# Altium PCB TH8_Cryo_TC_Breakouts.PCBDOC (part 1 of 2) (continued)
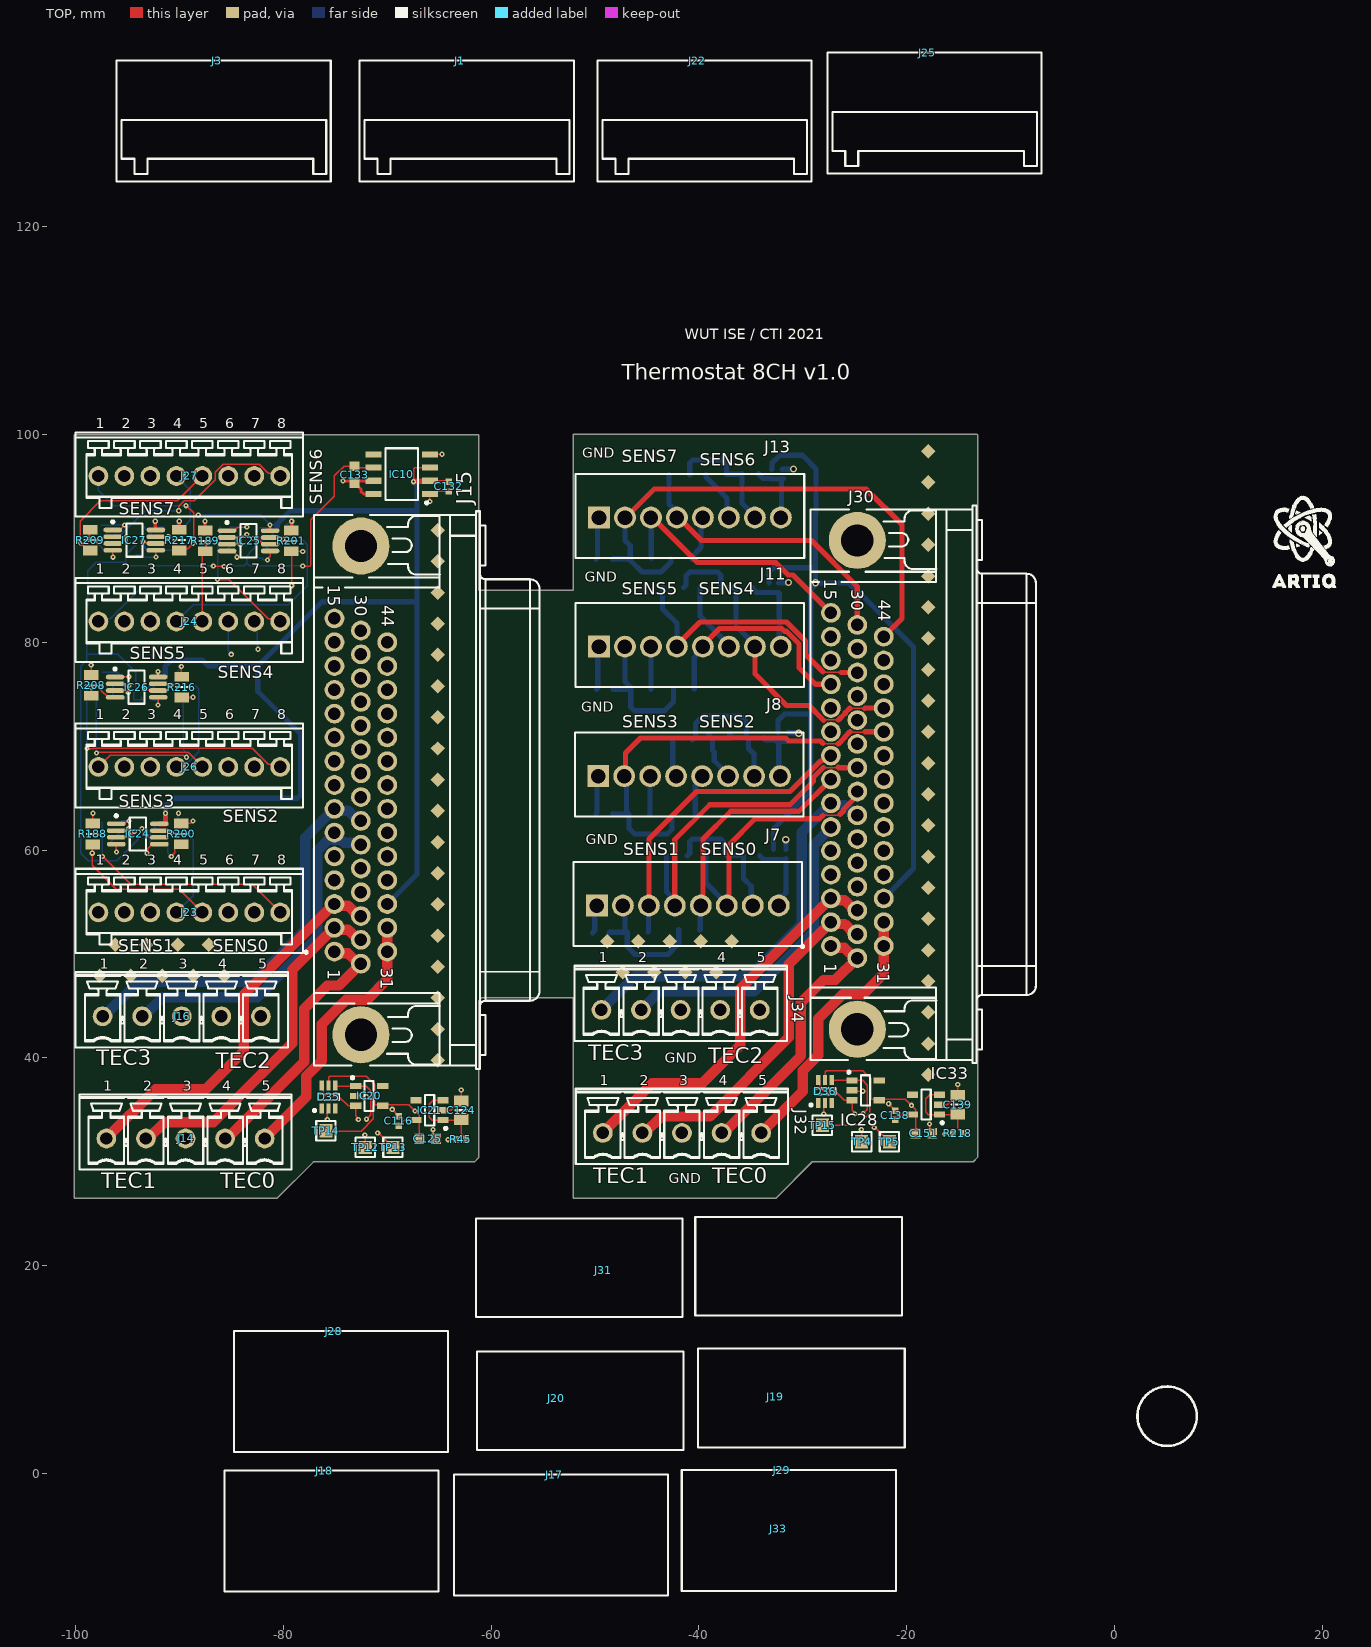
[diagram p0: TOP view]
## Components (designator, comment, footprint, x,y, rotation, side; value= is the part's Value field where it differs from the comment)
C116 "100nF" CAPC1005X55N -68.876,33.937 r270 top
C124 "10uF" CAPC2012X135N -62.876,34.962 r90 top
C125 "1uF" CAPC1608X87N -66.126,32.212 r180 top
C128 "100nF" CAPC1005X55N -31.623,59.614 r270 bottom
C129 "100nF" CAPC1005X55N -31.394,70.891 r270 bottom
C130 "100nF" CAPC1005X55N -32.334,85.242 r270 bottom
C131 "100nF" CAPC1005X55N -32.004,96.164 r270 bottom
C132 "100nF" CAPC1005X55N -64.065,94.998 r270 top
C133 "1uF" CAPC1608X87N -73.152,96.139 r90 top
C134 "100nF" CAPC1005X55N -80.188,91.11 r180 bottom
C135 "100nF" CAPC1005X55N -90.907,76.911 r180 bottom
C136 "1nF" CAPC1005X55N -95.607,62.249 r90 bottom
C137 "1nF" CAPC1005X55N -84.176,90.653 r90 bottom
C138 "100nF" CAPC1005X55N -21.096,34.475 r270 top
C139 "10uF" CAPC2012X135N -15.096,35.5 r90 top
C140 "1nF" CAPC1005X55N -92.829,62.239 r90 bottom
C141 "1nF" CAPC1005X55N -82.295,90.563 r90 bottom
C142 "100nF" CAPC1005X55N -90.881,62.84 r180 bottom
C143 "100nF" CAPC1005X55N -90.983,91.084 r180 bottom
C149 "1nF" CAPC1005X55N -95.607,76.294 r90 bottom
C150 "1nF" CAPC1005X55N -97.565,90.807 r90 bottom
C151 "1uF" CAPC1608X87N -18.346,32.75 r180 top
C153 "1nF" CAPC1005X55N -92.265,75.895 r0 bottom
C154 "1nF" CAPC1005X55N -93.565,90.807 r90 bottom
D35 "DRTR5V0U4S-7" SOT65P210X110-6N -75.651,36.237 r90 top
D36 "DRTR5V0U4S-7" SOT65P210X110-6N -27.871,36.775 r90 top
IC10 "LM4140ACM-1.2/NOPB" SOIC127P600X175-8N -68.605,96.171 r180 top
IC20 "24AA02E48T-I/OT" SOT95P280X145-5N -71.751,36.337 r0 top
IC21 "ADP150AUJZ-3.3-R7" SOT95P280X90-5N -65.926,34.962 r180 top
IC24 "ADA4528-2ARMZ-RL" ADI-RM-8_N -94.007,61.549 r0 top
IC25 "ADA4528-2ARMZ-RL" ADI-RM-8_N -83.348,89.763 r0 top
IC26 "ADA4528-2ARMZ-RL" ADI-RM-8_N -94.119,75.679 r0 top
IC27 "ADA4528-2ARMZ-RL" ADI-RM-8_N -94.34,89.832 r0 top
IC28 "24AA02E48T-I/OT" SOT95P280X145-5N -23.971,36.875 r0 top
IC33 "ADP150AUJZ-3.3-R7" SOT95P280X90-5N -18.146,35.5 r180 top
J1 "691381000008" WURTH_691381000008 -63.028,135.979 r270 top
J3 "691381000008" WURTH_691381000008 -86.422,135.979 r270 top
J7 "691382000008" 691382000008 -41.073,54.812 r0 top
J8 "691382000008" 691382000008 -40.948,67.263 r0 top
J11 "691382000008" 691382000008 -40.873,79.732 r0 top
J13 "691382000008" 691382000008 -40.871,92.153 r0 top
J14 "" PHOENIX_1803455 -89.416,32.242 r0 top
J15 "D-Sub" AMPHENOL_10090926-P444XLF -72.54,65.75 r270 top locked
J16 "" PHOENIX_1803455 -89.78,44 r0 top
J17 "691381000008" WURTH_691381000008 -53.95,-0.127 r270 top
J18 "691381000008" WURTH_691381000008 -76.048,0.254 r270 top
J19 "" PHOENIX_1803604 -32.639,7.366 r90 top
J20 "" PHOENIX_1803604 -53.746,7.239 r90 top
J22 "691381000008" WURTH_691381000008 -40.143,135.979 r270 top
J23 "" PHOENIX_1881613 -89.05,54 r0 top
J24 "" PHOENIX_1881613 -89.05,82 r0 top
J25 "691381000008" WURTH_691381000008 -18.02,136.741 r270 top
J26 "" PHOENIX_1881613 -89.05,68 r0 top
J27 "" PHOENIX_1881613 -89.05,96 r0 top
J28 "691381000008" WURTH_691381000008 -75.133,13.691 r270 top
J29 "691381000008" WURTH_691381000008 -32.029,0.305 r270 top
J30 "D-Sub" AMPHENOL_10090926-P444XLF -24.76,66.288 r270 top locked
J31 "" PHOENIX_1803604 -49.2,19.583 r270 top
J32 "" PHOENIX_1803455 -41.637,32.78 r0 top
J33 "" PHOENIX_1803604 -32.36,-5.309 r90 top
J34 "" PHOENIX_1803455 -41.768,44.619 r0 top
L10 "220R@100MHz" INDC1005X55N -32.715,59.563 r90 bottom
L11 "220R@100MHz" INDC1005X55N -32.385,70.866 r90 bottom
L12 "220R@100MHz" INDC1005X55N -33.249,85.242 r90 bottom
L13 "220R@100MHz" INDC1005X55N -33.02,96.164 r90 bottom
R45 "33" RESC1005X40N -62.903,32.184 r0 top
R155 "0" RESC1608X55N -34.925,59.461 r0 bottom
R156 "0" RESC1608X55N -49.428,52.045 r0 bottom
R157 "5k" RESC2013X64N -38.329,59.487 r0 bottom
R158 "5k" RESC2013X64N -40.945,52.324 r180 bottom
R159 "5k" RESC2013X64N -42.123,59.461 r0 bottom
R160 "5k" RESC2013X64N -45.898,52.121 r180 bottom
R161 "0" RESC1608X55N -34.62,70.841 r0 bottom
R162 "0" RESC1608X55N -49.124,63.525 r0 bottom
R163 "5k" RESC2013X64N -37.913,70.764 r0 bottom
R164 "5k" RESC2013X64N -41.361,63.424 r180 bottom
R165 "5k" RESC2013X64N -41.529,70.739 r0 bottom
R166 "0" RESC1608X55N -35.649,85.242 r0 bottom
R167 "5k" RESC2013X64N -45.736,63.424 r180 bottom
R168 "5k" RESC2013X64N -38.913,85.268 r0 bottom
R169 "5k" RESC2013X64N -41.453,75.489 r180 bottom
R170 "0" RESC1608X55N -49.073,75.463 r0 bottom
R171 "5k" RESC2013X64N -42.469,85.268 r0 bottom
R172 "5k" RESC2013X64N -45.609,75.463 r180 bottom
R176 "5k" RESC2013X64N -38.338,96.139 r0 bottom
R177 "5k" RESC2013X64N -41.681,87.986 r180 bottom
R178 "5k" RESC2013X64N -41.885,96.114 r0 bottom
R179 "5k" RESC2013X64N -45.568,88.087 r180 bottom
R180 "0" RESC1608X55N -35.052,96.215 r0 bottom
R181 "0" RESC1608X55N -49.098,87.986 r0 bottom
R182 "120k" RESC1005X40N -97.052,62.699 r180 bottom
R183 "120k" RESC1005X40N -85.597,91.113 r180 bottom
R184 "120k" RESC1005X40N -94.865,60.574 r90 bottom
R185 "120k" RESC1005X40N -83.515,88.773 r90 bottom
R186 "0" RESC1608X55N -97.591,60.574 r0 bottom
R187 "0" RESC1608X55N -86.398,88.697 r0 bottom
R188 "120k" RESC2012X60N -98.332,61.549 r270 top
R189 "120k" RESC2012X60N -87.533,89.763 r270 top
R190 "120k" RESC1005X40N -89.649,61.789 r0 bottom
R191 "120k" RESC1005X40N -78.829,90.068 r0 bottom
R192 "120k" RESC1005X40N -93.934,60.574 r270 bottom
R193 "120k" RESC1005X40N -82.601,88.773 r270 bottom
R198 "0" RESC1608X55N -91.932,60.574 r180 bottom
R199 "0" RESC1608X55N -80.498,88.788 r180 bottom
R200 "120k" RESC2012X60N -89.807,61.557 r270 top
R201 "120k" RESC2012X60N -79.248,89.763 r270 top
R202 "120k" RESC1005X40N -97.917,77.114 r180 bottom
R203 "120k" RESC1005X40N -96.415,90.807 r270 bottom
R204 "120k" RESC1005X40N -94.865,74.467 r180 bottom
R205 "120k" RESC1005X40N -95.148,88.938 r90 bottom
R206 "0" RESC1608X55N -97.206,74.769 r0 bottom
R207 "0" RESC1608X55N -98.019,88.798 r0 bottom
R208 "120k" RESC2012X60N -98.494,75.854 r270 top
R209 "120k" RESC2012X60N -98.602,89.832 r270 top
R210 "120k" RESC1005X40N -89.68,75.794 r0 bottom
R211 "120k" RESC1005X40N -90.019,90.018 r0 bottom
R212 "120k" RESC1005X40N -93.119,74.444 r0 bottom
R213 "120k" RESC1005X40N -94.209,88.875 r270 bottom
R214 "0" RESC1608X55N -90.449,74.579 r180 bottom
R215 "0" RESC1608X55N -92.265,88.857 r180 bottom
R216 "120k" RESC2012X60N -89.775,75.679 r270 top
R217 "120k" RESC2012X60N -90.018,89.832 r270 top
R218 "33" RESC1005X40N -15.096,32.75 r0 top
TP4 "Test Point" TPS127 -24.346,31.925 r90 top
TP5 "Test Point" TPS127 -21.671,31.925 r90 top
TP12 "Test Point" TPS127 -72.126,31.387 r90 top
TP13 "Test Point" TPS127 -69.451,31.387 r90 top
TP14 "Test Point" TPS127 -75.901,32.987 r90 top
TP15 "Test Point" TPS127 -28.121,33.525 r90 top

## Footprints (in the part's own frame and the unit in brackets; to place one, negate y for a bottom-side part, rotate by r counter-clockwise, add the part's x,y. Pads: shape width x height; smd on the part's side, far side on the other; paste and mask are expansions set on the pad)
691382000008 [mm] "Vertical PCB Header, pitch 2.5mm, 08p"
  rect 2.1x2.1 hole 1.4: 1(-8.75,-0.15)
  round 2.1 hole 1.4: 2(-6.25,-0.15) 3(-3.75,-0.15) 4(-1.25,-0.15) 5(1.25,-0.15) 6(3.75,-0.15) 7(6.25,-0.15) 8(8.75,-0.15)
  silkscreen extent -11,-4.05 11,4.05, body extent -11,-4.05 11,4.05, height 10.14
ADI-RM-8_N [mm] "SOP, 8-Leads, Body 3x3mm, Pitch 0.65mm, IPC Medium Density"
  oval 1.8x0.45 smd: 1(-2.075,0.975) 2(-2.075,0.325) 3(-2.075,-0.325) 4(-2.075,-0.975) 5(2.075,-0.975) 6(2.075,-0.325) 7(2.075,0.325) 8(2.075,0.975)
  silkscreen extent -2.2,-1.6 0.77,1.87, body extent -1.6,-1.6 1.6,1.6, height 1.1
AMPHENOL_10090926-P444XLF [mm] "Right Angle High Density D-sub 44 Male Contacts with Harpoons + UNC 4-40 Clinchnuts + Electrical Continuity"
  round 1.9 hole 1.2: 1(15.52,-2.54) 2(13.23,-2.54) 3(10.94,-2.54) 4(8.65,-2.54) 5(6.36,-2.54) 6(4.07,-2.54) 7(1.78,-2.54) 8(-0.51,-2.54) 9(-2.8,-2.54) 10(-5.09,-2.54) 11(-7.38,-2.54) 12(-9.67,-2.54) 13(-11.96,-2.54) 14(-14.25,-2.54) 15(-16.54,-2.54) 16(16.682,0) 17(14.392,0) 18(12.102,0) 19(9.812,0) 20(7.522,0) 21(5.232,0) 22(2.942,0) 23(0.652,0) 24(-1.638,0) 25(-3.928,0) 26(-6.218,0) 27(-8.508,0) 28(-10.798,0) 29(-13.088,0) 30(-15.378,0) 31(15.52,2.54) 32(13.23,2.54) 33(10.94,2.54) 34(8.65,2.54) 35(6.36,2.54) 36(4.07,2.54) 37(1.78,2.54) 38(-0.51,2.54) 39(-2.8,2.54) 40(-5.09,2.54) 41(-7.38,2.54) 42(-9.67,2.54) 43(-11.96,2.54) 44(-14.25,2.54)
  round 5.5 / inner round 3.8 / far side round 3.8 hole 3.1: 45(-23.513,0) 46(23.527,0)
  silkscreen extent -26.86,-5.4 26.8,17.18, body extent -26.86,-4.57 26.8,17.13, height 12.55
CAPC1005X55N [mm] "Capacitor, Non-Polarized, Chip; 1.00mm L X 0.50mm W X 0.70mm H, IPC Medium Density"
  rect 0.62x0.62 smd: 1(-0.45,0) 2(0.45,0)
  body extent -0.52,-0.27 0.53,0.28, height 0.55
CAPC1608X87N [mm] "Chip Capacitor, Body 1.6x0.8mm IPC Medium Density"
  rect 0.95x1 smd: 1(-0.8,0) 2(0.8,0)
  body extent -0.87,-0.47 0.88,0.48, height 0.87
CAPC2012X135N [mm] "Chip Capacitor, Body 2.0x1.25mm, IPC Medium Density"
  rect 1.05x1.4 smd: 1(-0.9,0) 2(0.9,0)
  silkscreen extent 0,-0.58 0,0.58, body extent -1.05,-0.67 1.05,0.68, height 1.25
INDC1005X55N [mm] "Chip Inductor, 2-Leads, EIA 0402, Metric 1005, Body 1x0.5mm, 0402IPC Medium Density"
  rect 0.6x0.62 smd: 1(-0.46,0) 2(0.46,0)
  body extent -0.52,-0.27 0.53,0.28, height 0.55
PHOENIX_1803455 [mm] "PCB Header, 8A, 160 V, Pitch: 3.81mm, 5 Positions, MCV Serie"
  round 1.9 hole 1.2: 1(-7.62,0) 2(-3.81,0) 3(0,0) 4(3.81,0) 5(7.62,0)
  silkscreen extent -10.22,-3 10.22,4.25, body extent -10.22,-3 10.22,4.25, height 9.2
PHOENIX_1803604 [mm] "3.85 5 way connector"
  silkscreen extent 7.82,-12.17 17.32,7.72, body extent 1.22,-12.12 17.32,7.72, height 7.6
PHOENIX_1881613 [mm] "MICRO COMBICON PCB Header, 4 A 80 V, Pitch: 2.5 mm, 8 Positions"
  round 1.9 hole 1.2: 1(-8.75,0) 2(-6.25,0) 3(-3.75,0) 4(-1.25,0) 5(1.25,0) 6(3.75,0) 7(6.25,0) 8(8.75,0)
  silkscreen extent -10.95,-3.9 10.95,4.2, body extent -10.95,-3.9 10.95,4.2, height 10.1
RESC1005X40N [mm] "Chip Resistor, EIA 0402, Metric 1005, Body 1.0x0.5mm, IPC Medium Density"
  rect 0.58x0.62 smd: 1(-0.47,0) 2(0.47,0)
  body extent -0.52,-0.27 0.53,0.28, height 0.4
RESC1608X55N [mm] "Chip Resistor, EIA 0603, Metric 1608, Body 1.6x0.8mm, IPC Medium Density"
  rect 0.9x1 smd: 1(-0.8,0) 2(0.8,0)
  body extent -0.87,-0.47 0.88,0.48, height 0.55
RESC2012X60N [mm] "Chip Resistor, EIA 0805, Metric 2012, Body 2.0x1.2mm, IPC Medium Density"
  rect 0.95x1.4 smd: 1(-1,0) 2(1,0)
  silkscreen extent 0,-0.55 0,0.55, body extent -1.1,-0.67 1.1,0.68, height 0.6
RESC2013X64N [mm] "Chip Resistor, EIA 0805, Metric 2013, Body 2.03x1.27mm, IPC Medium Density"
  rect 0.95x1.45 smd: 1(-1,0) 2(1,0)
  silkscreen extent 0,-0.55 0,0.55, body extent -1.02,-0.63 1.02,0.64, height 0.64
SOIC127P600X175-8N [mm] "SOIC 8, Pitch 1.27mm - Body 4x5mm, IPC Medium Density"
  rect 1.55x0.6 smd: 1(-2.7,1.905) 2(-2.7,0.635) 3(-2.7,-0.635) 4(-2.7,-1.905) 5(2.7,-1.905) 6(2.7,-0.635) 7(2.7,0.635) 8(2.7,1.905)
  silkscreen extent -2.53,-2.5 1.55,2.88, body extent -3.1,-2.5 3.1,2.5, height 1.75
SOT65P210X110-6N [mm] "SOT363, SC70-6, SOT, 0.65mm Pitch, 6 Pin, 1.25mm W X 2.00mm L X 1.10mm H, IPC Medium Density"
  rect 0.95x0.4 smd: 1(-1.1,0.65) 2(-1.1,0) 3(-1.1,-0.65) 4(1.1,-0.65) 5(1.1,0) 6(1.1,0.65)
  silkscreen extent -1.42,-1 0.3,1.47, body extent -1.2,-1.1 1.2,1.1, height 1.1
SOT95P280X90-5N [mm] "SOT, 0.95mm Pitch; 5 Pin, 1.60mm W X 2.90mm L X 0.90mm H body, IPC Medium"
  rect 1.05x0.6 smd: 1(-1.3,0.95) 2(-1.3,0) 3(-1.3,-0.95) 4(1.3,-0.95) 5(1.3,0.95)
  silkscreen extent -1.68,-1.45 0.45,1.87, body extent -1.4,-1.5 1.4,1.5, height 0.9
SOT95P280X145-5N [mm] "SOT, 0.95mm pitch; 5 pin, 1.60mm W X 2.90mm L X 1.45mm H body, IPC Medium Density"
  rect 1.1x0.6 smd: 1(-1.3,0.95) 2(-1.3,0) 3(-1.3,-0.95) 4(1.3,-0.95) 5(1.3,0.95)
  silkscreen extent -1.72,-1.45 0.43,1.87, body extent -1.4,-1.5 1.4,1.5, height 1.45
TPS127 [mm] "1.27 x  1.27mm SMD Test Point Area"
  rect 1.27x1.27 smd paste-1.27: 1(0,0)
  silkscreen extent -0.94,-0.94 0.94,0.94
WURTH_691381000008 [mm] "2.5mm 8 way connector"
  silkscreen extent -0.02,-9.63 11.62,10.98, body extent -0.03,-9.6 11.77,11, height 23.6

## Part data
C116 C128 C129 C130 C131 C132 C134 C135 C138 C142 C143: library part CC0402_100NF_16V_10%_X5R, "Non-polarised capacitor", Case=0402, Manufacturer=GENERIC, Manufacturer1 ComponentHeight=0.55mm, Manufacturer1 Example=MURATA, Manufacturer1 Part Number=GRM155R61C104KA88D, Tolerance=±10%, Voltage=16V, Author="CERN DEM JLC", Component Type=Standard, CreateDate=10.12.2013, HelpURL=\\cern.ch\dfs\Applications\Altium\Datasheets\CC0402_X5R_MURATA_GRM.pdf, LatestRevisionDate=10.12.2013, Manufacturer Part Number=CC0402_100NF_16V_10%_X5R, Mounted=Yes, Part Description="SMD Multilayer Chip Ceramic Capacitor", Part Number=CC0402_100NF_16V_10%_X5R, Pin Count=2, Sense=No, SMD=Yes, Socket=No, Status=None, TC=X5R
C124 C139: library part CC0805_10UF_16V_10%_X5R, "Non-polarised capacitor", Case=0805, Manufacturer=GENERIC, Manufacturer1 ComponentHeight=1.4mm, Manufacturer1 Example=KEMET, Manufacturer1 Part Number=C0805C106K4PAC, Tolerance=±10%, Voltage=16V, Author="CERN DEM JLC", Component Type=Standard, CreateDate=03.12.2007, HelpURL=\\cern.ch\dfs\Applications\Altium\Datasheets\CC1206_X5R_KEMET.pdf, LatestRevisionDate=03.12.2007, Manufacturer Part Number=CC0805_10UF_16V_10%_X5R, Mounted=Yes, Part Description="SMD Multilayer Chip Ceramic Capacitor", Part Number=CC0805_10UF_16V_10%_X5R, Pin Count=2, Sense=No, SMD=Yes, Socket=No, Status=Preferred, TC=X5R
C125 C133 C151: library part CC0603_1UF_25V_10%_X7R, "Non-polarised capacitor", Case=0603, Manufacturer=GENERIC, Manufacturer1 ComponentHeight=0.9mm, Manufacturer1 Example=MURATA, Manufacturer1 Part Number=GRM188R71E105KA12D, Tolerance=±10%, Voltage=25V, Author="CERN DEM JLC", Component Type=Standard, CreateDate=18/01/2011, HelpURL=\\cern.ch\dfs\Applications\Altium\Datasheets\CC0603_X7R_MURATA.pdf, LatestRevisionDate=18/01/2011, Manufacturer Part Number=CC0603_1UF_25V_10%_X7R, Mounted=Yes, Part Description="SMD Multilayer Chip Ceramic Capacitor", Part Number=CC0603_1UF_25V_10%_X7R, Pin Count=2, Sense=No, SMD=Yes, Socket=No, Status=None, TC=X7R
C136 C137 C140 C141 C149 C150 C153 C154: library part CC0402_1NF_50V_10%_X7R, "Non-polarised capacitor", Case=0402, Manufacturer=GENERIC, Manufacturer1 ComponentHeight=0.55mm, Manufacturer1 Example=PHYCOMP, Manufacturer1 Part Number=223858715623, Tolerance=±10%, Voltage=50V, Author="CERN DEM JLC", Component Type=Standard, CreateDate=03/12/2007, HelpURL=\\cern.ch\dfs\Applications\Altium\Datasheets\CC0402_X7R_PHYCOMP.pdf, LatestRevisionDate=03/12/2007, Manufacturer Part Number=CC0402_1NF_50V_10%_X7R, Mounted=Yes, Part Description="SMD Multilayer Chip Ceramic Capacitor", Part Number=CC0402_1NF_50V_10%_X7R, Pin Count=2, Sense=No, SMD=Yes, Socket=No, Status="Not Recommended", TC=X7R
D35 D36: library part D_TVS_DRTR5V0U4S-7, "Integrated Quad Ultra-Low Capacitance ESD Protection", Case=SOT363, Manufacturer=DIODES, Author=GK, Bonding=No, Component Type=Standard, ComponentHeight=1.1mm, CreateDate=24.01.2017, Device=DRTR5V0U4S-7, HelpURL=\\cern.ch\dfs\Applications\Altium\Datasheets\PRTR5V0U4Y.pdf, LatestRevisionDate=14.09.2020, Manufacturer Part Number=DRTR5V0U4S-7, Mounted=Yes, PackageDescription="SOT363, SC70-6, 0.65mm Pitch; 6 Pin, 1.25mm W X 2.00mm L X 1.10mm H body, IPC Medium Density", Part Description="Integrated Quad Ultra-Low Capacitance ESD (±8kV) Protection", Part Number=DRTR5V0U4S-7, Pin Count=6, PressFit=No, Sense=No, SMD=Yes, Socket=No, Status=Active, Status Comment=Active
IC10: "High Precision Low Noise Low Dropout Voltage Reference", Case=SOIC8, Manufacturer="TEXAS INSTRUMENTS", Author="CERN DEM JLC", Bonding=No, Component Type=Standard, ComponentHeight=1.75mm, CreateDate=17.11.2014, Device=LM4140ACM-1.2/NOPB, HelpURL=\\cern.ch\dfs\Applications\Altium\Datasheets\LM4140ACM-1.2-NOPB.pdf, LatestRevisionDate=17.11.2014, Manufacturer Part Number=LM4140ACM-1.2/NOPB, Mounted=Yes, PackageDescription="SOIC 8, Pitch 1.27mm, Body 4x5mm, IPC Medium Density", Part Description="1.2V 0.1% 3 ppm/°C, High Precision Low Noise Low Dropout Voltage Reference", Part Number=LM4140ACM-1.2/NOPB, Pin Count=8, PressFit=No, Sense=No, SMD=Yes, Socket=No
IC20 IC28: "1.7V-5.5V, 2K I2C Serial EEPROM With EUI-48 Node Identity", Case=SOT23-5, Manufacturer="MICROCHIP TECHNOLOGY", Author="CERN DEM MR", Bonding=No, Component Type=Standard, ComponentHeight=1.45mm, CreateDate=31.03.2016, Device=24AA02E48T-I/OT, HelpURL=\\cern.ch\dfs\Applications\Altium\Datasheets\24AA02E48T-I-OT.pdf, LatestRevisionDate=31.03.2016, Manufacturer Part Number=24AA02E48T-I/OT, Mounted=Yes, PackageDescription="SOT, 0.95mm pitch; 5 pin, 1.60mm W X 2.90mm L X 1.45mm H body, IPC Medium Density", Part Description="1.7V-5.5V, 2K I2C Serial EEPROM With EUI-48 Node Identity", Part Number=24AA02E48T-I/OT, Pin Count=5, PressFit=No, Sense=No, SMD=Yes, Socket=No
IC21 IC33: "Ultralow Noise, 150 mA CMOS Linear Regulator", Case=SOT23, Manufacturer="ANALOG DEVICES", Author="CERN DEM JLC", Bonding=No, Component Type=Standard, ComponentHeight=0.9mm, CreateDate=27/09/2011, Device=ADP150AUJZ-3.3-R7, HelpURL=\\cern.ch\dfs\Applications\Altium\Datasheets\ADP150AUJZ-3.3-R7.pdf, LatestRevisionDate=19/06/2014, Manufacturer Part Number=ADP150AUJZ-3.3-R7, Mounted=Yes, PackageDescription="SOT23, 0.95mm pitch; 5 pin, 1.75mm W X 3.00mm L, IPC Medium Density", Part Description="3.3V, 150mA, Ultralow Noise, CMOS Linear Regulator", Part Number=ADP150AUJZ-3.3-R7, Pin Count=5, PressFit=No, Sense=No, SMD=Yes, Socket=No
IC24 IC25 IC26 IC27: library part CMP-0384-01794-1, "Double Channel RRIO Operational Amplifier, 3.4 MHz BW, 500 mV/us SR, Industrial, 8-pin SOP (RM-8), Reel", Amplifiers Per Package=2, Generic Part Number=ADA4528-2, Input Bias Current=125pA, Input Offset Voltage=300nV, Manufacturer="Analog Devices", Code_JEDEC=MO-187-AA, ComponentLink1Description="Manufacturer URL", ComponentLink1URL=http://www.analog.com/en/index.html, ComponentLink2Description=Datasheet, ComponentLink2URL=http://www.analog.com/static/imported-files/data_sheets/ADA4528-1_4528-2.pdf, ComponentLink3Description="Package Specification", ComponentLink3URL=http://www.analog.com/static/imported-files/packages/PKG_PDF/MSOP%28RM%29/RM_8.pdf, DatasheetVersion="Rev. C", Iq/Amp=1.5mA, Mounting Technology="Surface Mount", PackageDescription="8-Pin Mini Small Outline Package, Body 3 x 3 mm, Pitch 0.65 mm", PackageReference=RM-8, Packing=Reel, PartNumber=ADA4528-2ARMZ-RL, Slew Rate=500mV/us, Small Signal Bandwidth=3.4MHz, V Span Max=5.5V, V Span Min=2.2V
J1 J3 J17 J18 J22 J25 J28 J29: library part CON_TB_WURTH_691381000008, "Phoenix Contact 2.5 pitch terminal plug, 8 ways", Manufacturer=WURTH, Manufacturer Part Number=691381000008
J7 J8 J11 J13: "WR-TBL Serie 382 Vertical PCB Header, Pluggable, pitch 2.5mm, 8p", Operating Temperature="-40 to +105degC", Rated Current [UL]=12A, Working Voltage [UL]=300VAC, Application=Pluggable, Compliance=RoHS, ComponentLink1Description=Manufacturer, ComponentLink1URL=http://www.we-online.de, ComponentLink2Description=Datasheet, ComponentLink2URL=https://katalog.we-online.de/em/datasheet/691382000008.pdf, Modularity=No, Mounting Technology=THT, Packaging=Box, Part Number=691382000008, PCB/Cable/Panel=PCB, Pin Number=8, Pitch=2.5mm, Published Date="October 2019", Publisher="Wurth Elektronik", Type=Vertical
J14 J16 J32 J34: library part PHOENIX_1803455, "Connector 5 Male", Manufacturer="PHOENIX CONTACT", Manufacturer Part Number="1803455 (MCV 1,5/ 5-G-3,81)", Author="CERN DEM JLC", Component Type=Standard, ComponentHeight=9.2mm, CreateDate=04.11.2013, HelpURL=\\cern.ch\dfs\Applications\Altium\Datasheets\PHOENIX_1803455.pdf, LatestRevisionDate=04.11.2013, Mounted=Yes, Part Description="8A 160 V, Pitch: 3.81mm, 5 Positions Header", Part Number=PHOENIX_1803455, Pin Count=5, PressFit=No, Sense=No, SMD=No, Socket=No, Status=None
J15 J30: library part AMPHENOL_10090926-P444XLF, "Connector D-sub 44 Male", Manufacturer=AMPHENOL, Manufacturer Part Number=10090926-P444XLF, Author="CERN DEM BC", Component Type=Standard, ComponentHeight=12.8mm, CreateDate=22.10.2020, Family=D-Sub, HelpURL=\\cern.ch\dfs\Applications\Altium\Datasheets\AMPHENOL_10090926-P444XLF.pdf, LatestRevisionDate=22.10.2020, Mounted=Yes, Part Description="Right Angle High Density D-sub 44 Male Contacts with Harpoons + UNC 4-40 Clinchnuts + Electrical Continuity", Part Number=AMPHENOL_10090926-P444XLF, Pin Count=46, PressFit=No, Sense=No, SMD=No, Socket=No, Status=None
J19 J20 J31 J33: library part PHOENIX_1803604, "Phoenix Contact 3.81 pitch terminal plug, 5 ways", Manufacturer="Phoenix Contact", Manufacturer Part Number="MC 1,5/ 5-ST-3,81 1803604", Mates with=PHOENIX_1803303
J23 J24 J26 J27: library part PHOENIX_1881613, "Connector 8 Male", Manufacturer="PHOENIX CONTACT", Manufacturer Part Number="1881613 (MCV 0,5/ 8-G-2,5)", Author="CERN DEM JLC", Component Type=Standard, ComponentHeight=10.1mm, CreateDate=03.11.2009, HelpURL=\\cern.ch\dfs\Applications\Altium\Datasheets\PHOENIX_1881613.pdf, LatestRevisionDate=10.02.2011, Mounted=Yes, Part Description="4A, 160V, MICRO COMBICON PCB Header, Pitch 2.5mm, 8 Positions", Part Number=PHOENIX_1881613, Pin Count=8, PressFit=No, Sense=No, SMD=No, Socket=No, Status=None
L10 L11 L12 L13: library part IND0402_MURATA_BLM15HB221SN1, Case=0402, Manufacturer=MURATA, Manufacturer Part Number=BLM15HB221SN1, Power=250mA, Resistance=1R, Tolerance=±25%, Author="CERN DEM JLC", Component Type=Standard, ComponentHeight=0.55mm, CreateDate=23.06.2009, HelpURL=\\cern.ch\dfs\Applications\Altium\Datasheets\IND0402_MURATA_BLM15H.pdf, LatestRevisionDate=25.10.2018, Mounted=Yes, Part Description="SMD EMIFIL Suppression Chip Ferrite Bead", Part Number=IND0402_MURATA_BLM15HB221SN1, Pin Count=2, Sense=No, SMD=Yes, Socket=No, Status=None
R45 R218: library part R0402_33R_1%_0.0625W_100PPM, "Resistor - 1%", Case=0402, Manufacturer=GENERIC, Manufacturer1 ComponentHeight=0.4mm, Manufacturer1 Example="YAGEO PHYCOMP", Manufacturer1 Part Number=232270673309L, Power=0.0625W, Tolerance=±1%, Author="CERN DEM JLC", Component Type=Standard, CreateDate=03/12/2007, HelpURL=\\cern.ch\dfs\Applications\Altium\Datasheets\R0402_Phycomp_RC0402.pdf, LatestRevisionDate=17/10/2012, Manufacturer Part Number=R0402_33R_1%_0.0625W_100PPM, Mounted=Yes, Part Description="General Purpose Thick Film Chip Resistor", Part Number=R0402_33R_1%_0.0625W_100PPM, Pin Count=2, PressFit=No, Sense=No, SMD=Yes, Socket=No, Status="Not Recommended", TC=±100ppm/°C
R155 R156 R161 R162 R166 R170 R180 R181 R186 R187 R198 R199 R206 R207 R214 R215: library part R0603_0R_JUMPER, "Resistor", Case=0603, Manufacturer=GENERIC, Manufacturer1 ComponentHeight=0.55mm, Manufacturer1 Example="NIC COMPONENT", Manufacturer1 Part Number=NRC06Z0, Author="CERN DEM JLC", Component Type=Standard, CreateDate=03.12.2007, HelpURL=\\cern.ch\dfs\Applications\Altium\Datasheets\R0603_NIC_NRC.pdf, LatestRevisionDate=13.03.2008, Manufacturer Part Number=R0603_0R_JUMPER, Mounted=Yes, Part Description="1A (0.05R Max DC Resistance) Zero Ohm Jumper", Part Number=R0603_0R_JUMPER, Pin Count=2, PressFit=No, Sense=No, SMD=Yes, Socket=No, Status=Preferred
R157 R158 R159 R160 R163 R164 R165 R167 R168 R169 R171 R172 R176 R177 R178 R179: library part R0805_5K_0.01%_0.2W_0.2PPM_VISHAY_VSMP, "Resistor - 0.01%", Case=0805, Manufacturer="VISHAY PRECISION", Manufacturer1 ComponentHeight=0.64mm, Manufacturer Part Number=Y16245K00000T9R, Power=0.2W, Tolerance=±0.01%, Author="CERN DEM JLC", Component Type=Standard, CreateDate=22.09.2011, HelpURL=\\cern.ch\dfs\Applications\Altium\Datasheets\R0805_VISHAY_VSMP.pdf, LatestRevisionDate=22.09.2011, Mounted=Yes, Part Description="Ultra High Precision Foil Wraparound Surface Mount Chip Resistor", Part Number=R0805_5K_0.01%_0.2W_0.2PPM_VISHAY_VSMP, Pin Count=2, PressFit=No, Sense=No, SMD=Yes, Socket=No, Status=None, TC=±0.2ppm/°C
R182 R183 R184 R185 R190 R191 R192 R193 R202 R203 R204 R205 R210 R211 R212 R213: library part R0402_120K_1%_0.0625W_100PPM, "Resistor - 1%", Case=0402, Manufacturer=GENERIC, Manufacturer1 ComponentHeight=0.4mm, Manufacturer1 Example="YAGEO PHYCOMP", Manufacturer1 Part Number=232270671204L, Power=0.0625W, Tolerance=±1%, Author="CERN DEM JLC", Component Type=Standard, CreateDate=03.12.2007, HelpURL=\\cern.ch\dfs\Applications\Altium\Datasheets\R0402_Phycomp_RC0402.pdf, LatestRevisionDate=17.10.2012, Manufacturer Part Number=R0402_120K_1%_0.0625W_100PPM, Mounted=Yes, Part Description="General Purpose Thick Film Chip Resistor", Part Number=R0402_120K_1%_0.0625W_100PPM, Pin Count=2, PressFit=No, Sense=No, SMD=Yes, Socket=No, Status="Not Recommended", TC=±100ppm/°C
R188 R189 R200 R201 R208 R209 R216 R217: library part R0805_120K_0.1%_0.125W_25PPM, "Resistor - 0.1%", Case=0805, Manufacturer=GENERIC, Manufacturer1 ComponentHeight=0.6mm, Manufacturer1 Example=PANASONIC, Manufacturer1 Part Number=ERA6AEB124V, Power=0.125W, Tolerance=±0.1%, Author="CERN DEM JLC", Component Type=Standard, CreateDate=04.06.2015, HelpURL=\\cern.ch\dfs\Applications\Altium\Datasheets\R0805_PANASONIC_ERA.pdf, LatestRevisionDate=04.06.2015, Manufacturer Part Number=R0805_120K_0.1%_0.125W_25PPM, Mounted=Yes, Part Description="Thin Film Chip Resistor", Part Number=R0805_120K_0.1%_0.125W_25PPM, Pin Count=2, PressFit=No, Sense=No, SMD=Yes, Socket=No, Status="Not Recommended", TC=±25ppm
TP4 TP5 TP12 TP13 TP14 TP15: library part SMD_PAD_1.27X1.27MM, Author="CERN DEM JLC", Component Type="Standard (No BOM)", ComponentHeight=0mm, CreateDate=12.01.2008, Family="Test Point", HelpURL=Undefined, LatestRevisionDate=12.01.2008, Mounted=No, PackageDescription="1.27mm x 1.27mm PCB Copper Area (SMD Test Point)", Part Description="1.27mm x 1.27mm PCB Copper Area (SMD Test Point)", Part Number=SMD_PAD_1.27X1.27MM, Pin Count=1, Sense=No, SMD=Yes, Socket=No, Status=None

## Free pads (board coordinates)
  rect 1x1 smd rot 45 paste-0.6 mask+0: BAL(-97.678,47.889) BAL(-96.178,50.889) BAL(-94.678,47.889) BAL(-93.178,50.889) BAL(-91.678,47.889) BAL(-90.178,50.889) BAL(-88.678,47.889) BAL(-87.178,50.889) BAL(-85.678,47.889) BAL(-48.828,51.239) BAL(-47.328,48.239) BAL(-45.828,51.239) BAL(-44.328,48.239) BAL(-42.828,51.239) BAL(-41.328,48.239) BAL(-39.828,51.239) BAL(-38.328,48.239) BAL(-36.828,51.239)
  rect 1x1 on Mid1 rot 45 paste-0.6 mask+0: BAL(-96.7,50.575) BAL(-95.2,47.575) BAL(-94.726,39.257) BAL(-93.7,50.575) BAL(-93.226,36.257) BAL(-92.2,47.575) BAL(-91.726,39.257) BAL(-90.7,50.575) BAL(-90.226,36.257) BAL(-89.2,47.575) BAL(-88.726,39.257) BAL(-87.7,50.575) BAL(-87.226,36.257) BAL(-86.2,47.575) BAL(-85.726,39.257) BAL(-84.7,50.575) BAL(-84.226,36.257) BAL(-82.726,39.257) BAL(-48.128,39.789) BAL(-48.128,51.177) BAL(-46.628,36.789) BAL(-46.628,48.177) BAL(-45.128,39.789) BAL(-45.128,51.177) BAL(-43.628,36.789) BAL(-43.628,48.177) BAL(-42.128,39.789) BAL(-42.128,51.177) BAL(-40.628,36.789) BAL(-40.628,48.177) BAL(-39.128,39.789) BAL(-39.128,51.177) BAL(-37.628,36.789) BAL(-37.628,48.177) BAL(-36.128,39.789) BAL(-36.128,51.177) BAL(-34.628,36.789) BAL(-33.128,39.789) BAL(-31.628,36.789)
  rect 1x1 smd far side rot 45 paste-0.6 mask+0: BAL(-95.8,36.55) BAL(-94.3,39.55) BAL(-92.8,36.55) BAL(-91.3,39.55) BAL(-89.8,36.55) BAL(-88.3,39.55) BAL(-86.8,36.55) BAL(-85.3,39.55) BAL(-83.8,36.55) BAL(-82.3,39.55) BAL(-80.8,36.55) BAL(-47.225,40.22) BAL(-45.725,37.22) BAL(-44.225,40.22) BAL(-42.725,37.22) BAL(-41.225,40.22) BAL(-39.725,37.22) BAL(-38.225,40.22) BAL(-36.725,37.22) BAL(-35.225,40.22) BAL(-33.725,37.22)
  rect 1x1 on Mid1 rot 135 paste-0.6 mask+0: BAL(-66.925,85.677) BAL(-66.925,88.677) BAL(-66.925,91.677) BAL(-62.876,58.677) BAL(-62.876,61.677) BAL(-62.876,64.677) BAL(-62.876,67.677) BAL(-62.876,70.677) BAL(-62.876,73.677) BAL(-62.876,76.677) BAL(-62.876,79.677) BAL(-62.876,82.677) BAL(-62.876,85.677) BAL(-62.876,88.677) BAL(-62.876,91.677) BAL(-62.876,94.677) BAL(-62.876,97.677) BAL(-19.839,88.522) BAL(-19.839,91.522) BAL(-19.839,94.522) BAL(-15.919,58.947) BAL(-15.919,61.947) BAL(-15.919,64.947) BAL(-15.919,67.947) BAL(-15.919,70.947) BAL(-15.919,73.947) BAL(-15.919,76.947) BAL(-15.919,79.947) BAL(-15.919,82.947) BAL(-15.919,85.947) BAL(-15.919,88.947) BAL(-15.919,91.947) BAL(-15.919,94.947) BAL(-15.919,97.947)
  rect 1x1 smd rot 135 paste-0.6 mask+0: BAL(-65.15,39.775) BAL(-65.15,42.775) BAL(-65.15,45.775) BAL(-65.15,48.775) BAL(-65.15,51.775) BAL(-65.15,54.775) BAL(-65.15,57.775) BAL(-65.15,60.775) BAL(-65.15,63.775) BAL(-65.15,66.775) BAL(-65.15,69.775) BAL(-65.15,72.775) BAL(-65.15,75.775) BAL(-65.15,78.775) BAL(-65.15,81.775) BAL(-65.15,84.775) BAL(-65.15,87.775) BAL(-65.15,90.775) BAL(-17.95,41.375) BAL(-17.95,44.375) BAL(-17.95,47.375) BAL(-17.95,53.375) BAL(-17.95,56.375) BAL(-17.95,59.375) BAL(-17.95,65.375) BAL(-17.95,68.375) BAL(-17.95,71.375) BAL(-17.95,74.375) BAL(-17.95,80.375) BAL(-17.95,83.375) BAL(-17.95,86.375) BAL(-17.95,92.375) BAL(-17.95,95.375) BAL(-17.95,98.375) BAL(-17.95,38.375) BAL(-17.95,50.375) BAL(-17.95,62.375) BAL(-17.95,77.375) BAL(-17.95,89.375)
  rect 1x1 smd far side rot 135 paste-0.6 mask+0: BAL(-63.389,40.122) BAL(-63.389,43.122) BAL(-63.389,46.122) BAL(-63.389,49.122) BAL(-63.389,52.122) BAL(-63.389,55.122) BAL(-63.389,58.122) BAL(-63.389,61.122) BAL(-63.389,64.122) BAL(-63.389,67.122) BAL(-63.389,70.122) BAL(-63.389,73.122) BAL(-63.389,76.122) BAL(-63.389,79.122) BAL(-63.389,82.122) BAL(-63.389,85.122) BAL(-63.389,88.122) BAL(-63.389,91.122) BAL(-63.389,94.122) BAL(-63.389,97.122) BAL(-16.314,46.522) BAL(-16.314,58.522) BAL(-16.314,85.522) BAL(-16.314,97.522) BAL(-16.314,37.522) BAL(-16.314,40.522) BAL(-16.314,43.522) BAL(-16.314,49.522) BAL(-16.314,52.522) BAL(-16.314,55.522) BAL(-16.314,61.522) BAL(-16.314,64.522) BAL(-16.314,67.522) BAL(-16.314,70.522) BAL(-16.314,73.522) BAL(-16.314,76.522) BAL(-16.314,79.522) BAL(-16.314,82.522) BAL(-16.314,88.522) BAL(-16.314,91.522) BAL(-16.314,94.522)

## Via types
v1: diameter 0.5, hole 0.2, TOP to BOT, tented both sides, 89 vias
v2: diameter 0.7, hole 0.4, TOP to BOT, tented both sides, 5 vias

## Nets (pads, with @x,y where several pads share a name; then routed paths per layer and width w, separated by ;. In a path a pad name is that pad's centre, name@x,y a point inside that pad or via, vN(x,y) a via of type N, cw(c..) or ccw(c..) an arc to the next point about the centre after c; other vN are vias at no path point)
BB_SCL: D36.4 IC28.1 J30.35 TP5.1 | length 50.5
  TOP w0.127: D36.4@-27.221,37.875 -27.171,37.825 IC28.1@-25.271,37.825 -24.254,37.825 -23.802,37.372 -23.802,35.055 -24.168,34.689 -24.176,34.689 v1(-24.227,34.638) ; v1(-23.139,33.299) -23.045,33.299 TP5.1@-21.671,31.925
  L2 w0.127: v1(-24.227,34.638) -24.182,34.638 -24.107,34.564 -24.107,34.267 v1(-23.139,33.299) -21.393,31.553 -16.362,31.553 -15.594,32.322 -15.594,43.648 -16.18,44.234 -16.18,55.855 -20.253,59.928 J30.35@-22.22,59.928
BB_SDA: D36.6 IC28.3 J30.34 TP4.1 | length 49
  TOP w0.127: D36.6@-28.521,37.875 -28.385,37.738 -28.385,37.191 -27.989,36.795 -26.867,36.795 -25.997,35.925 IC28.3@-25.271,35.925 -25.271,34.956 -25.004,34.689 v1(-25.004,34.6) ; v1(-24.379,33.104) -24.346,33.071 TP4.1@-24.346,31.925
  L2 w0.127: v1(-24.379,33.104) -25.004,33.729 v1(-25.004,34.6) -24.425,35.179 -24.144,35.179 -20.772,31.807 -16.468,31.807 -15.848,32.427 -15.848,33.993 -16.434,34.579 -16.434,54.204 -19.868,57.638 J30.34@-22.22,57.638
BBC_SCL: D35.4 IC20.1 J15.35 TP13.1 | length 50.5
  TOP w0.127: D35.4@-75.001,37.337 -74.951,37.287 IC20.1@-73.051,37.287 -72.034,37.287 -71.581,36.834 -71.581,34.517 -71.948,34.151 -71.956,34.151 v1(-72.006,34.1) ; v1(-70.919,32.761) -70.825,32.761 TP13.1@-69.451,31.387
  L2 w0.127: v1(-72.006,34.1) -71.961,34.1 -71.887,34.026 -71.887,33.729 v1(-70.919,32.761) -69.173,31.015 -64.142,31.015 -63.373,31.784 -63.373,43.11 -63.959,43.696 -63.959,55.316 -68.033,59.39 J15.35@-70,59.39
BBC_SDA: D35.6 IC20.3 J15.34 TP12.1 | length 49
  TOP w0.127: D35.6@-76.301,37.337 -76.164,37.2 -76.164,36.652 -75.768,36.257 -74.646,36.257 -73.776,35.387 IC20.3@-73.051,35.387 -73.051,34.418 -72.784,34.151 v1(-72.784,34.062) ; v1(-72.158,32.565) -72.126,32.533 TP12.1@-72.126,31.387
  L2 w0.127: v1(-72.158,32.565) -72.784,33.191 v1(-72.784,34.062) -72.205,34.641 -71.924,34.641 -68.552,31.269 -64.247,31.269 -63.627,31.889 -63.627,33.455 -64.213,34.041 -64.213,53.665 -67.648,57.1 J15.34@-70,57.1
GND: C116.1 C124.2 C125.1 C128.1 C129.1 C130.1 C131.1 C132.2 C133.1 C134.1 C135.1 C138.1 C139.2 C142.1 C143.1 C151.1 D35.2 D36.2 IC10.1 IC10.4 IC10.7 IC10.8 IC20.2 IC21.2 IC24.4 IC25.4 IC26.4 IC27.4 IC28.2 IC33.2 J7.1 J8.1 J11.1 J13.1 J14.3 J15.36 J15.45 J15.46 J16.3 J30.36 J30.45 J30.46 J32.3 J34.3 R156.1 R162.1 R170.1 R181.1 R188.1 R189.1 R200.1 R201.1 R208.1 R209.1 R216.1 R217.1 | length 59.6
  TOP w0.127: R209.1@-98.704,90.73 R209.1@-98.602,90.832 ; R208.1@-98.494,76.854 v1(-98.494,77.801) ; R188.1@-98.332,62.549 v1(-98.332,63.54) ; v1(-97.591,75.646) -97.52,75.575 -97.52,75.355 -96.869,74.704 IC26.4@-96.194,74.704 ; IC27.4@-96.415,88.857 -96.408,88.851 v1(-96.408,88.187) ; IC24.4@-96.082,60.574 -96.063,60.555 v1(-96.063,59.817) ; v1(-89.82,77.66) -89.82,76.725 R216.1@-89.775,76.679 ; R200.1@-89.807,62.557 -88.934,62.557 v1(-88.683,62.808) ; IC25.4@-85.423,88.788 -84.836,88.788 -84.526,88.478 -84.526,88.26 v1(-84.455,88.189) ; R201.1@-79.248,90.763 R201.1@-79.197,90.814 ; v1(-75.768,34.062) -75.768,35.019 D35.2@-75.651,35.137 ; IC20.2@-73.051,36.337 -72.971,36.257 v1(-72.022,36.257) ; v1(-69.522,35.047) -69.522,35.033 C116.1@-68.876,34.387 ; v1(-65.913,93.548) -65.913,94.258 IC10.1@-65.905,94.266 -65.43,94.266 -65.148,94.548 C132.2@-64.065,94.548 ; IC10.4@-65.905,98.076 -65.886,98.095 v1(-64.745,98.095) ; v1(-65.584,33.091) -65.584,32.47 C125.1@-65.326,32.212 ; IC21.2@-64.626,34.962 -63.91,34.962 -63.512,35.36 -63.512,35.4 -63.051,35.862 C124.2@-62.876,35.862 v1(-62.876,36.906) ; v1(-27.989,34.6) -27.989,35.557 D36.2@-27.871,35.675 ; IC28.2@-25.271,36.875 -25.191,36.795 v1(-24.242,36.795) ; v1(-21.742,35.585) -21.742,35.571 C138.1@-21.096,34.925 ; v1(-17.804,33.629) -17.804,33.008 C151.1@-17.546,32.75 ; IC33.2@-16.846,35.5 -16.13,35.5 -15.733,35.898 -15.733,35.939 -15.271,36.4 C139.2@-15.096,36.4 v1(-15.096,37.445)
  TOP w0.3: v1(-98.704,89.891) R209.1@-98.704,90.73 ; R217.1@-90.018,90.832 v1(-90.018,91.643) ; R189.1@-87.533,90.763 v1(-87.533,91.643) ; R201.1@-79.197,90.814 v1(-79.197,91.643) ; v1(-74.27,95.536) IC10.7@-71.305,95.536 ; C133.1@-73.152,95.339 -73.127,95.339 -72.54,94.752 -72.54,94.548 -72.258,94.266 IC10.8@-71.305,94.266
  BOT w0.127: C143.1@-90.533,91.084 -90.018,91.599 v1(-90.018,91.643) ; C135.1@-90.457,76.911 -89.892,77.476 -89.892,77.588 v1(-89.82,77.66) ; C142.1@-90.431,62.84 -90.185,63.086 -90.185,63.445 v1(-90.089,63.54) ; C134.1@-79.738,91.11 -79.658,91.189 -79.658,91.423 -79.518,91.423 -79.298,91.643 v1(-79.197,91.643)
  BOT w0.5: R156.1@-50.228,52.045 -50.028,52.245 -50.028,54.607 J7.1@-49.823,54.812 ; R162.1@-49.924,63.525 -49.811,63.638 -49.811,67.565 J8.1@-49.86,67.615 ; R181.1@-49.898,87.986 -49.76,88.124 -49.76,92.015 J13.1@-49.621,92.153 ; R170.1@-49.873,75.463 -49.748,75.588 -49.748,79.607 J11.1@-49.623,79.732 ; C130.1@-32.334,85.692 -32.305,85.721 -31.423,85.721 v2(-31.394,85.75) ; C131.1@-32.004,96.614 -31.975,96.643 -30.941,96.643 v2(-30.912,96.672) ; v2(-31.642,61.004) -31.633,60.994 -31.633,60.073 C128.1@-31.623,60.064 ; C129.1@-31.394,71.341 -31.334,71.281 -30.506,71.281 -30.458,71.233 v2(-30.404,71.233)
NetC124_1: C124.1 IC21.1 IC21.3 R45.2 | length 8
  TOP w0.127: IC21.3@-64.626,35.912 -65.584,35.912 -65.966,35.53 -65.966,34.285 -65.693,34.012 IC21.1@-64.626,34.012 -62.926,34.012 C124.1@-62.876,34.062 -62.876,32.702 -62.406,32.232 R45.2@-62.406,32.212
NetC128_2: C128.2 J7.8 L10.1 R155.2 | length 7.3
  BOT w0.5: R155.2@-34.125,59.461 -34.125,59.411 -33.925,59.211 -33.875,59.211 -33.767,59.103 L10.1@-32.715,59.103 -31.684,59.103 C128.2@-31.623,59.164 -31.623,55.891 -32.323,55.191 J7.8@-32.323,54.812
NetC129_2: C129.2 J8.8 L11.1 R161.2 | length 5.4
  BOT w0.5: R161.2@-33.82,70.841 -33.82,70.791 -33.62,70.591 -32.643,70.591 L11.1@-32.487,70.434 ; J8.8@-32.309,67.437 -32.325,67.453 -32.325,70.356 -32.375,70.406 L11.1@-32.385,70.406 -32.335,70.456 -31.576,70.456 C129.2@-31.521,70.51
NetC130_2: C130.2 J11.8 L12.1 R166.2 | length 7.9
  BOT w0.5: R166.2@-34.849,85.242 -34.849,85.192 -34.449,84.792 C130.2@-32.334,84.792 -32.274,84.732 -32.274,79.884 J11.8@-32.123,79.732
NetC131_2: C131.2 J13.8 L13.1 R180.2 | length 6.3
  BOT w0.5: R180.2@-34.252,96.215 -34.252,96.165 -33.841,95.754 -33.07,95.754 L13.1@-33.02,95.704 C131.2@-32.014,95.704 ; C131.2@-32.004,95.714 C131.2@-32.014,95.704 ; J13.8@-31.902,92.1 -32.063,92.261 -32.063,95.656 C131.2@-32.014,95.704 ; C131.2@-31.877,95.758 -31.931,95.704 C131.2@-32.014,95.704
NetC136_1: C136.1 IC24.2 R186.2 | length 3.8
  TOP w0.127: IC24.2@-96.082,61.874 -96.02,61.936 -95.12,61.936 -94.991,62.065 v1(-94.89,62.065)
  BOT w0.127: R186.2@-96.791,60.574 -96.791,60.624 -96.404,61.011 -96.396,61.011 -95.361,62.046 -94.91,62.046 v1(-94.89,62.065)
NetC136_2: C136.2 IC24.1 R182.1 | length 3.1
  TOP w0.127: IC24.1@-96.082,62.524 -95.32,62.524 -95.108,62.737 -94.935,62.737 v1(-94.863,62.808)
  BOT w0.127: R182.1@-96.582,62.699 C136.2@-95.607,62.699 -95.499,62.808 v1(-94.863,62.808)
NetC137_1: C137.1 IC25.2 R187.2 | length 4.9
  TOP w0.127: IC25.2@-85.423,90.088 -84.053,90.088 -83.834,90.307 -83.522,90.307 v1@-83.473,90.357
  BOT w0.127: R187.2@-85.598,88.697 -85.598,88.747 -84.422,89.923 -84.422,89.956 -84.112,90.266 v1(-83.515,90.357)
NetC137_2: C137.2 IC25.1 R183.1 | length 3.7
  TOP w0.127: IC25.1@-85.423,90.738 -84.748,90.738 -84.402,91.084 v1(-83.515,91.084)
  BOT w0.127: R183.1@-85.127,91.113 -85.098,91.084 v1(-83.515,91.084)
NetC139_1: C139.1 IC33.1 IC33.3 R218.2 | length 8
  TOP w0.127: IC33.3@-16.846,36.45 -17.804,36.45 -18.186,36.068 -18.186,34.823 -17.913,34.55 IC33.1@-16.846,34.55 -15.146,34.55 C139.1@-15.096,34.6 -15.096,33.24 -14.626,32.77 R218.2@-14.626,32.75
NetC140_1: C140.1 IC24.6 R198.2 | length 4.3
  TOP w0.127: v1(-93.59,62.065) -93.519,61.994 -93.519,61.72 -93.023,61.224 IC24.6@-91.932,61.224
  BOT w0.127: v1(-93.59,62.065) -93.561,62.036 -93.076,62.036 C140.1@-92.829,61.789 -92.829,60.671 R198.2@-92.732,60.574
NetC140_2: C140.2 IC24.7 R190.1 | length 4.4
  TOP w0.127: IC24.7@-91.932,61.874 -91.87,61.813 -91.013,61.813 -90.881,61.68 v1(-90.78,61.68)
  BOT w0.127: C140.2@-92.829,62.689 -91.82,61.68 v1(-90.78,61.68) -90.229,61.68 R190.1@-90.119,61.789
NetC141_1: C141.1 IC25.6 R199.2 | length 4.3
  TOP w0.127: v1@-82.97,89.992 -82.503,89.992 -81.948,89.438 IC25.6@-81.273,89.438
  BOT w0.127: v1(-82.913,89.992) -82.416,89.992 C141.1@-82.295,90.113 -82.049,89.866 -82.049,89.588 -81.298,88.838 R199.2@-81.298,88.788
NetC141_2: C141.2 IC25.7 R191.1 | length 4.8
  TOP w0.127: IC25.7@-81.273,90.088 -81.212,90.026 -80.239,90.026 -80.133,89.92 v1(-80.032,89.92)
  BOT w0.127: C141.2@-82.295,91.013 -81.637,91.013 -80.545,89.92 v1(-80.032,89.92) -79.931,89.92 -79.783,90.068 R191.1@-79.299,90.068
NetC149_1: C149.1 IC26.2 R206.2 | length 4
  TOP w0.127: IC26.2@-96.194,76.004 -95.462,76.004 -95.295,75.837 v1(-94.863,75.837)
  BOT w0.127: R206.2@-96.406,74.769 -96.406,75.77 -96.332,75.844 C149.1@-95.607,75.844 -95.6,75.837 v1(-94.863,75.837)
NetC149_2: C149.2 IC26.1 R202.1 | length 4.1
  TOP w0.127: IC26.1@-96.194,76.654 -96.177,76.67 -94.881,76.67 v1(-94.865,76.686)
  BOT w0.127: R202.1@-97.447,77.114 -95.978,77.114 C149.2@-95.607,76.744 -95.549,76.686 v1(-94.865,76.686)